# Altium PCB ASCII_LimeSDR-USB_1v4.PcbDoc (part 2 of 10) (continued)
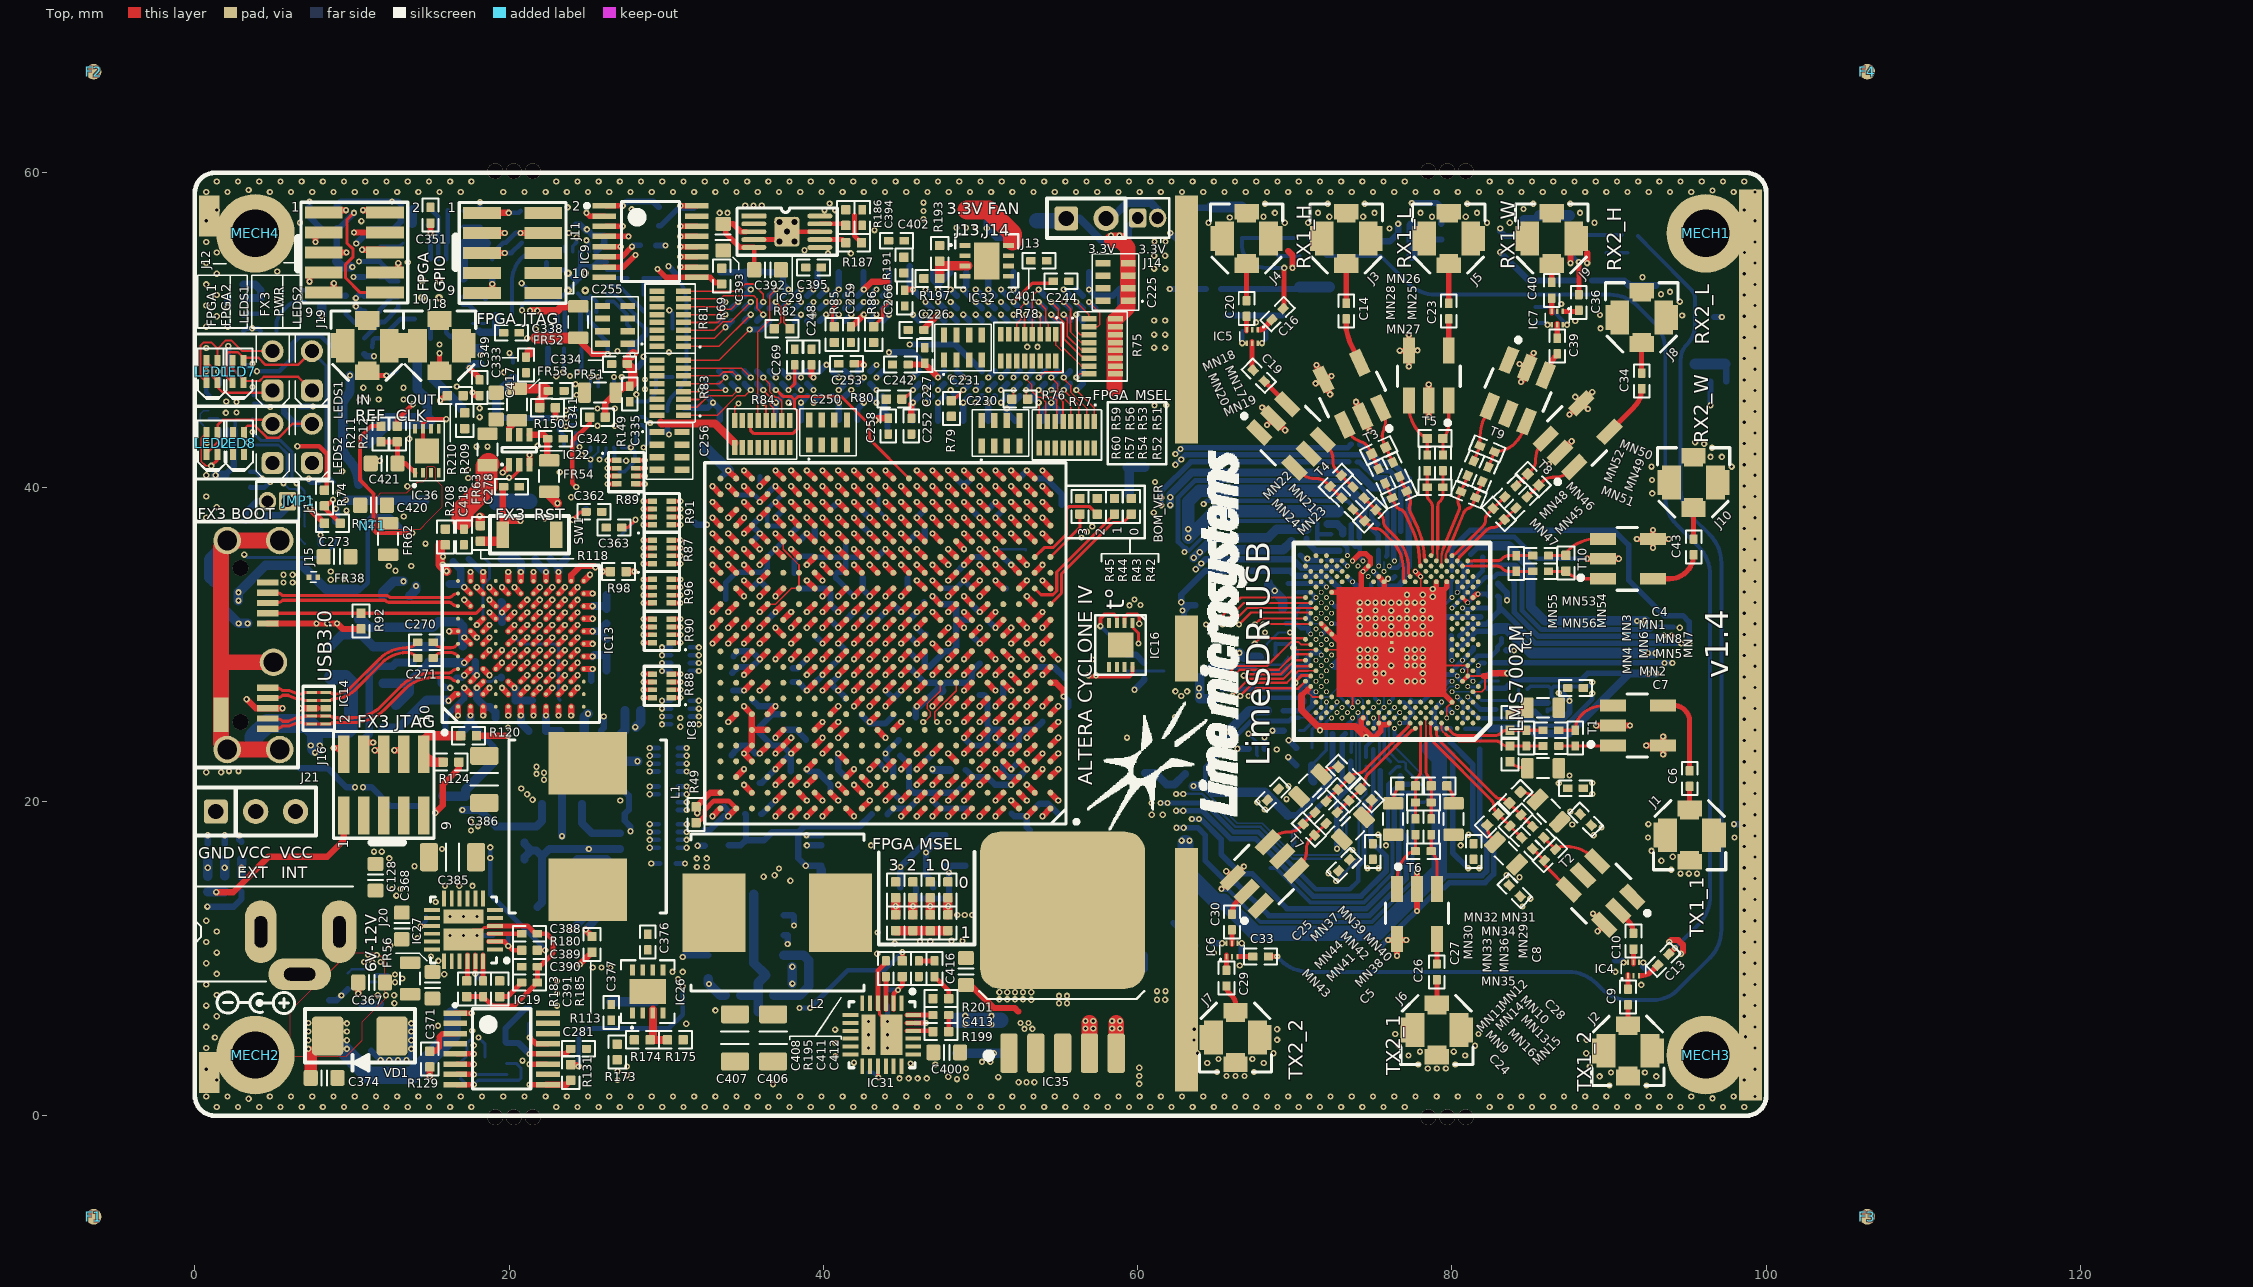
[diagram p0: Top view]
## Components (designator, comment, footprint, x,y, rotation, side; value= is the part's Value field where it differs from the comment) (continued)
FR57 "600R, 2A" RES0805#1 49.9,5.075 r90 bottom
FR58 "600R, 2A" RES0805#1 54.465,9.489 r90 bottom
FR59 "600R, 2A" RES0805#1 56.85,25.3 r270 bottom
FR60 "600R, 2A" RES0805#1 59.25,34.725 r90 bottom
FR61 "600R, 2A" RES0805#1 52.912,5.425 r90 bottom
FR62 "600R, 2A" RES0805#2 12.3,36.7 r90 top
FR63 "600R, 2A" RES0805#2 18.625,42.4 r270 top
IC1 "LMS7002M" LMS7002M_v3 76.341,30.138 r180 top locked
IC2 "M24128" 24FC512 44.825,16.875 r0 bottom
IC3 "24FC512" 24FC512 36.925,16.875 r0 bottom
IC4 "SKY13323" SKY13323-378LF 91.55,9.325 r90 top
IC5 "SKY13323" SKY13323-378LF 67.284,49.584 r270 top
IC6 "SKY13323" SKY13323-378LF 66,10.55 r90 top
IC7 "SKY13323" SKY13323-378LF 86.7,50.75 r270 top
IC8 "EP4CE40F23C8N" FBGA484_A-240 43.95,30.05 r180 top locked
IC9 "TS3A5018PWR" TS3A5018PWR 29,55.625 r0 top
IC10 "M25P16" M25P40-VMN6TPB_SO8N 35.075,10.85 r0 bottom
IC11 "AS4C64M16D2-25BCN" AS4C64M16D2 51.7,48.975 r270 bottom locked
IC12 "AS4C64M16D2-25BCN" AS4C64M16D2 38.175,48.975 r90 bottom locked
IC13 "CYUSB3014-BZXC" CYP-BZX121 20.75,30.025 r90 top locked
IC14 "SP3010-04UTG" SP3010-04UTG 7.887,25.925 r270 top
IC15 "M25P40" M25P40-VMN6TPB_SO8N 24,17.45 r270 bottom
IC16 "LM75" HWSON8_LM75 58.925,29.95 r270 top
IC17 "MAX7322" MAX7322ATE_QFN16 2.325,45.1 r0 bottom
IC18 "M24128" 24FC512 22.8,3.65 r180 bottom
IC19 "SC18IS602B" SC18IS602B_TSSOP16 19.525,4.25 r0 top
IC20 "LMK00105" LMK00105SQ 24.3,53.063 r90 bottom
IC21 "NC7SV74K8XCT" NC7SV74K8XCT 5.55,51.775 r180 bottom
IC22 "AD5601BKSZ-REEL7" AD5601_SOT23-6 20.65,42.375 r90 top
IC23 "ADF4002" ADF4002 15,52.6 r180 bottom
IC24 "Si5351C" Si5351C_20QFN 26.175,44.45 r270 bottom locked
IC25 "FPF3042" FPF3042 11.738,8.713 r90 bottom
IC26 "AP7361-FGE" AP7361 28.825,7.9 r90 top
IC27 "ADP2386" ADP2386 17.1,11.825 r180 top
IC28 "AP7361-FGE" AP7361 57.35,10.5 r180 bottom
IC29 "RT9026" MSOP10 35.575,57.25 r0 top
IC30 "AP7361-FGE" AP7361 59.325,22.125 r180 bottom
IC31 "ADP2386" ADP2386 43.725,5.15 r270 top
IC32 "AP7361-FGE" AP7361 50.4,54.4 r0 top
IC33 "AP7361-FGE" AP7361 59.15,38.275 r270 bottom
IC34 "AP7361-FGE" AP7361 25.26,7.561 r180 bottom
IC35 "LP38503TS" TO-263-5_v2 55.225,10.025 r90 top locked
IC36 "SPX3819R2" SPX3819R2-L/TR 14.775,42.3 r90 top
J1 "U.FL/MMCX" MMCX_UFL_conn_u 95.125,17.85 r0 top
J2 "U.FL/MMCX" MMCX_UFL_conn_u 91.2,4.125 r0 top
J3 "U.FL/MMCX" MMCX_UFL_conn_u 73.275,55.825 r180 top
J4 "U.FL/MMCX" MMCX_UFL_conn_u 66.934,55.825 r180 top
J5 "U.FL/MMCX" MMCX_UFL_conn_u 79.8,55.825 r180 top
J6 "U.FL/MMCX" MMCX_UFL_conn_u 79.04,5.45 r0 top
J7 "U.FL/MMCX" MMCX_UFL_conn_u 66.225,4.975 r0 top
J8 "U.FL/MMCX" MMCX_UFL_conn_u 92.075,50.8 r180 top
J9 "U.FL/MMCX" MMCX_UFL_conn_u 86.35,55.825 r180 top
J10 "U.FL/MMCX" MMCX_UFL_conn_u 95.375,40.3 r180 top
J11 "FPGA JTAG" SWD_10_PIN 20.225,54.9 r270 top
J12 "FPGA GPIO" SWD_10_PIN 10.15,54.925 r270 top
J13 "FAN" HDR_1x2 56.725,57.1 r90 top
J14 "FAN" HDR_1X2_HALF_PITCH 60,57.125 r90 top locked
J15 "Micro_USB3B" MICROUSB3B_SM_V2 4.637,32.625 r270 top locked
J16 "FX3 JTAG" SWD_10_PIN 12.025,21.05 r0 top locked
J17 "Jumper" HDR_1X2_HALF_PITCH 5.9,39.1 r270 top
J18 "U.FL/MMCX" MMCX_UFL_conn_u 15.575,49 r180 top
J19 "U.FL/MMCX" MMCX_UFL_conn_u 10.975,49 r180 top
J20 "CONN_PWR_JACK_2.1x5.5mm" CONN_PWR_JACK_V4 9.2,11.7 r90 top
J21 "Header 3x1 pin" HDR_1x3 3.875,19.35 r90 top
JMP1 "1 pcs." MECH_JUMPER_HALF_PITCH 6.6,39.125 r180 top
L1 "1.5uH" FDVE1040_TOKO_INDUCTOR 25,18.4 r90 top
L2 "1uH" FDVE1040_TOKO_INDUCTOR 37.075,12.925 r180 top
LED1 "LED_RG_SMD" LED-2X0603 1.125,47.275 r270 top
LED2 "LED_RG_SMD" LED-2X0603 1.125,42.7 r270 top
LED7 "LED_RG_SMD" LED-2X0603 2.775,47.275 r270 top
LED8 "LED_RG_SMD" LED-2X0603 2.8,42.7 r270 top
LEDS1 "2xLED standoff" LED_STANDOFF_H-201C 6.2,47.4 r90 top locked
LEDS2 "2xLED standoff" LED_STANDOFF_H-201C 6.2,42.775 r90 top locked
MECH1 "# pcs." PCB_STANDOFF 96.15,56.15 r0 top
MECH2 "# pcs." PCB_STANDOFF 3.85,3.85 r0 top locked
MECH3 "# pcs." PCB_STANDOFF 96.15,3.85 r0 top
MECH4 "# pcs." PCB_STANDOFF 3.85,56.15 r0 top
MN1 "100uH" RES0805#2 85.805,25.958 r0 top
MN2 "100uH" RES0805#2 85.805,22.113 r0 top
MN3 "47nH" RES0402#1 83.695,25.023 r90 top
MN4 "47nH" RES0402#1 83.695,23.023 r270 top
MN5 "100nF, 16V" CAP0402#2 86.295,23.523 r180 top
MN6 "0.5pF" CAP0402#2 84.735,24.022 r270 top
MN7 "2pF" CAP0402#2 87.845,24.023 r270 top
MN8 "100nF, 16V" CAP0402#2 86.295,24.523 r0 top
MN9 "0uH (0R)" RES0805#2 83.437,16.687 r315 top
MN10 "0uH (0R)" RES0805#2 86.155,19.406 r315 top
MN11 "8.2nH, 5%" RES0402#1 82.596,18.83 r225 top
MN12 "8.2nH, 5%" RES0402#1 84.01,20.244 r45 top
MN13 "0.8pF" CAP0402#2 85.495,18.041 r135 top
MN14 "1pF" CAP0402#2 84.046,18.784 r225 top
MN15 "0.5pF" CAP0402#2 86.238,16.592 r45 top
MN16 "0.8pF" CAP0402#2 84.788,17.334 r135 top
MN17 "510pF" CAP0402#2 76.45,41.121 r295 top
MN18 "8.2nH, 5%" RES0402#1 75.342,42.314 r25 top
MN19 "1.2pF" CAP0402#2 76.652,39.516 r25 top
MN20 "510pF" CAP0402#2 75.544,40.698 r295 top
MN21 "2pF" CAP0402#2 74.057,39.651 r315 top
MN22 "0.5pF" CAP0402#2 72.607,40.393 r45 top
MN23 "1pF" CAP0402#2 74.799,38.201 r45 top
MN24 "2pF" CAP0402#2 73.349,38.944 r315 top
MN25 "100pF, 50V" CAP0402#2 79.426,41.542 r270 top
MN26 "10nH, 5%" RES0402#1 78.926,43.092 r0 top
MN27 "0.8pF" CAP0402#2 78.926,39.992 r180 top
MN28 "100pF, 50V" CAP0402#2 78.426,41.542 r270 top
MN29 "100uH" RES0805#2 80.105,18.874 r270 top
MN30 "100uH" RES0805#2 76.26,18.874 r270 top
MN31 "47nH" RES0402#1 79.18,20.984 r0 top
MN32 "47nH" RES0402#1 77.181,20.984 r180 top
MN33 "100nF, 16V" CAP0402#2 77.68,18.384 r90 top
MN34 "0.5pF" CAP0402#2 78.18,19.934 r180 top
MN35 "2pF" CAP0402#2 78.18,16.834 r180 top
MN36 "100nF, 16V" CAP0402#2 78.68,18.384 r270 top
MN37 "0uH (0R)" RES0805#2 70.982,21.004 r225 top
MN38 "0uH (0R)" RES0805#2 73.701,18.286 r225 top
MN39 "8.2nH, 5%" RES0402#1 73.125,21.845 r135 top
MN40 "8.2nH, 5%" RES0402#1 74.539,20.431 r315 top
MN41 "0.8pF" CAP0402#2 72.347,18.946 r45 top
MN42 "1pF" CAP0402#2 73.089,20.396 r135 top
MN43 "0.5pF" CAP0402#2 70.897,18.204 r315 top
MN44 "0.8pF" CAP0402#2 71.64,19.653 r45 top
MN45 "510pF" CAP0402#2 84.432,39.023 r225 top
MN46 "8.2nH, 5%" RES0402#1 85.174,40.472 r315 top
MN47 "1.2pF" CAP0402#2 82.982,38.291 r315 top
MN48 "510pF" CAP0402#2 83.724,39.73 r225 top
MN49 "2pF" CAP0402#2 82.125,40.811 r247.5 top
MN50 "0.5pF" CAP0402#2 82.256,42.434 r337.5 top
MN51 "1pF" CAP0402#2 81.051,39.524 r337.5 top
MN52 "2pF" CAP0402#2 81.201,41.194 r247.5 top
MN53 "100pF, 50V" CAP0402#2 85.644,35.638 r180 top
MN54 "10nH, 5%" RES0402#1 87.254,35.154 r90 top
MN55 "0.8pF" CAP0402#2 84.094,35.138 r270 top
MN56 "100pF, 50V" CAP0402#2 85.644,34.649 r180 top
NT1 "NetTie" NetTie_Wide2 11.3,37.525 r90 top net-tie
R1 "10k, 1%" RES0402#2 43.575,19.175 r180 bottom
R2 "10k, 1%" RES0402#2 44.8,23.4 r90 bottom
R3 "10k, 1%" RES0402#2 44.45,21.05 r270 bottom
R4 "10k, 1%" RES0402#2 48.55,22 r0 bottom
R5 "10k, 1%" RES0402#2 35.525,19.2 r180 bottom
R6 "49.9R, 1%" RES0402#2 70.6,22.3 r180 bottom
R7 "49.9R, 1%" RES0402#2 69.8,24.5 r180 bottom
R8 "49.9R, 1%" RES0402#2 70.6,23.4 r180 bottom
R9 "49.9R, 1%" RES0402#2 67.575,23.35 r180 bottom
R10 "10k, 1%" RES0402#2 49.95,19.55 r180 bottom
R11 "10k, 1%" RES0402#2 76.275,28.575 r135 bottom
R12 "2k2, 1%" RES0402#2 47.5,14.525 r180 bottom
R13 "2k2, 1%" RES0402#2 45.4,14.525 r180 bottom
R14 "100R, 1%" RES0402#2 64.825,52.6 r180 bottom
R15 "1k, 1%" RES0402#2 74.445,55.212 r90 bottom
R16 "100R, 1%" RES0402#2 79.325,56.25 r90 bottom
R17 "100R, 1%" RES0402#2 63.275,57.275 r90 bottom
R18 "100R, 1%" RES0402#2 88.425,53.15 r180 bottom
R19 "1k, 1%" RES0402#2 95.975,50.825 r0 bottom
R20 "100R, 1%" RES0402#2 84.425,56.475 r90 bottom
R21 "100R, 1%" RES0402#2 96.962,46.72 r180 bottom
R22 "0R" RES0402#2 68.25,28.075 r180 bottom
R23 "0R" RES0402#2 69.225,31.8 r270 bottom
R24 "0R" RES0402#2 64.975,27.025 r270 bottom
R25 "0R" RES0402#2 68.251,29.169 r0 bottom
R26 "0R" RES0402#2 66.725,34.675 r180 bottom
R27 "0R" RES0402#2 68.75,25.775 r0 bottom
R28 "0R" RES0402#2 64.175,32.475 r180 bottom
R29 "0R" RES0402#2 68.851,33.869 r0 bottom
R30 "0R" RES0402#2 72.951,29.519 r90 bottom
R31 "0R" RES0201 73.556,22.874 r270 bottom
R32 "0R" RES0201 79.405,25.825 r0 bottom
R33 "10R" RES0201 85.271,25.985 r270 bottom
R34 "0R" RES0201 79.095,27.019 r180 bottom
R35 "0R" RES0201 74.651,27.749 r270 bottom
R36 "0R" RES0201 82.001,27.194 r0 bottom
R37 "0R" RES0201 80.847,27.819 r225 bottom
R38 "0R" RES0201 75.57,37.625 r0 bottom
R39 "10R" RES0201 82.055,24.629 r0 bottom
R40 "10R" RES0201 72.701,37.924 r270 bottom
R41 "10R" RES0201 70.751,36.994 r270 bottom
R42 "0R" RES0402#1 59.6,38.775 r90 top
R43 "0R" RES0402#1 58.525,38.775 r90 top
R44 "0R" RES0402#1 57.425,38.775 r90 top
R45 "0R" RES0402#1 56.325,38.775 r90 top
R46 "49.9R, 1%" RES0402#2 34.45,40.05 r90 bottom
R47 "49.9R, 1%" RES0402#2 35.975,41.175 r270 bottom
R48 "10k, 1%" RES0402#2 9.725,8.55 r270 bottom
R49 "10k, 1%" RES0402#1 31.9,19.15 r270 top
R50 "10k, 1%" RES0402#2 8.05,7.35 r0 bottom
R51 "0R" RES0402#1 47.925,14.375 r90 top
R52 "0R" RES0402#1 47.925,12.275 r90 top
R53 "0R" RES0402#1 46.8,14.375 r90 top
R54 "0R" RES0402#1 46.8,12.275 r90 top
R55 "10k, 1%" RES0402#2 20.3,55.55 r180 bottom
R56 "0R" RES0402#1 45.7,14.375 r90 top
R57 "0R" RES0402#1 45.7,12.275 r90 top
R58 "10k, 1%" RES0402#2 18.925,54 r90 bottom
R59 "0R" RES0402#1 44.6,14.375 r90 top
R60 "0R" RES0402#1 44.6,12.275 r90 top
R61 "0R" RES0402#2 8.525,56.475 r0 bottom
R62 "1k, 1%" RES0402#2 21.25,57.45 r0 bottom
R63 "0R" RES0402#2 9.025,54.875 r90 bottom
R64 "0R" RES0402#2 8.975,37.325 r90 bottom
R65 "0R" RES0402#2 60.425,28.3 r270 bottom
R66 "10k, 1%" RES0402#2 29.525,57.2 r90 bottom
R67 "10k, 1%" RES0402#2 49.9,57.55 r180 bottom
R68 "22R" RES0402#2 28.85,55.375 r0 bottom
R69 "100K" RES0402#1 33.525,53.425 r90 top
R70 "4K7" RES0402#2 34.25,7.65 r180 bottom
R71 "4K7" RES0402#2 36.35,7.65 r0 bottom
R72 "0R" RES0402#1 8.75,37.7 r0 top
R73 "4K7" RES0402#2 35.075,14.1 r180 bottom
R74 "0R" RES0402#1 8.25,39.3 r270 top
R75 "8x56R" EXB2HV 57.75,48.95 r0 top
R76 "100R, 1%" RES0402#1 52.5,45.6 r0 top
R77 "8x56R" EXB2HV 55.5,43.325 r270 top
R78 "8x56R" EXB2HV 53.05,48.875 r270 top
R79 "100R, 1%" RES0402#1 48.15,45 r90 top
R80 "100R, 1%" RES0402#1 44.5,45.6 r0 top
R81 "8x56R" EXB2HV 30.25,50.725 r180 top
R82 "100R, 1%" RES0402#1 37.375,50.075 r180 top
R83 "8x56R" EXB2HV 30.25,46.325 r180 top
R84 "8x56R" EXB2HV 36.1,43.375 r270 top
R85 "100R, 1%" RES0402#1 40.7,49.7 r90 top
R86 "100R, 1%" RES0402#1 43.2,49.7 r90 top
R87 "22R" ChipResistorArray 29.725,35.875 r0 top
R88 "22R" ChipResistorArray 29.725,27.35 r180 top
R89 "22R" ChipResistorArray 27.45,40.95 r0 top
R90 "22R" ChipResistorArray 29.725,30.85 r180 top
R91 "22R" ChipResistorArray 29.725,38.35 r0 top
R92 "0R" RES0402#1 10.575,31.475 r90 top
R93 "6.04K, 1%" RES0402#2 18.475,35.925 r270 bottom
R94 "22R" ChipResistorArray 30.9,25.65 r180 bottom
R95 "200R, 1%" RES0402#2 18.35,28.875 r180 bottom
R96 "22R" ChipResistorArray 29.725,33.375 r0 top
R97 "22R" ChipResistorArray 30.9,29.05 r180 bottom
R98 "22R" RES0402#1 26.95,34.625 r180 top
R99 "22R" RES0402#2 30.125,16.05 r0 bottom
R100 "22R" ChipResistorArray 30.125,17.8 r0 bottom
R101 "22R" ChipResistorArray 30.125,22.65 r0 bottom
R102 "22R" ChipResistorArray 30.125,20.2 r0 bottom
R103 "10k, 1%" RES0402#2 2.975,14.75 r90 bottom
R104 "10k, 1%" RES0402#2 0.825,14.75 r90 bottom
R105 "10k, 1%" RES0402#2 1.9,14.75 r90 bottom
R106 "0R" RES0402#2 1.9,16.8 r270 bottom
R107 "0R" RES0402#2 0.825,16.8 r270 bottom
R108 "0R" RES0402#2 2.975,16.8 r270 bottom
R109 "2.21k, 1%" RES0402#2 55.575,25.525 r90 bottom
R110 "0R" RES0402#2 18.475,3.25 r90 bottom
R111 "0R" RES0402#2 27.025,21.225 r270 bottom
R112 "0R" RES0402#2 16.9,2.875 r90 bottom
R113 "0R" RES0402#1 25.275,10.9 r270 top
R114 "100K" RES0402#2 24.4,13.275 r0 bottom
R115 "10k, 1%" RES0402#2 24.775,24 r90 bottom
R116 "10k, 1%" RES0402#2 25.85,24 r90 bottom
R117 "10k, 1%" RES0402#2 25.225,27.175 r90 bottom
R118 "100K" RES0402#1 18.175,37.05 r90 top
R119 "10k, 1%" RES0402#2 27.875,25.775 r0 bottom
R120 "0R" RES0402#1 17.425,24.175 r0 top
R121 "4K7" RES0402#2 20.975,17.9 r90 bottom
R122 "0R" RES0402#2 3.75,37.85 r180 bottom
R123 "4K7" RES0402#2 22.3,13.275 r0 bottom
R124 "0R" RES0402#1 16.3,22.5 r180 top
R125 "10k, 1%" RES0402#2 15.95,23.85 r90 bottom
R126 "4K7" RES0402#2 27.075,17.475 r90 bottom
R127 "10k, 1%" RES0402#2 16.146,27.875 r0 bottom
R128 "10k, 1%" RES0402#2 23.75,26.425 r180 bottom
R129 "10k, 1%" RES0402#1 14.95,3.6 r90 top
R130 "10k, 1%" RES0402#2 21.3,6.325 r90 bottom
R131 "1k, 1%" RES0402#1 23.925,2.75 r90 top
R132 "10k, 1%" RES0402#2 1.95,42.5 r180 bottom
R133 "10k, 1%" RES0402#2 58.825,29.325 r180 bottom
R134 "1k, 1%" RES0402#2 7.5,36.4 r180 bottom
R135 "1k, 1%" RES0402#2 7.5,37.5 r180 bottom
R136 "0R" RES0402#2 28.175,50.175 r0 bottom
R137 "0R" RES0402#2 10.425,39.675 r270 bottom
R138 "0R" RES0402#2 14.65,46.9 r180 bottom
R139 "0R" RES0402#2 24.6,49.313 r90 bottom
R140 "49.9R, 1%" RES0402#2 28.55,51.763 r90 bottom
R141 "0R" RES0402#2 2.6,51.975 r0 bottom
R142 "0R" RES0402#2 23.5,49.313 r90 bottom
R143 "0R" RES0402#2 8.075,52.025 r270 bottom
R144 "0R" RES0402#2 3.1,50.425 r90 bottom
R145 "0R" RES0402#2 4.7,49.925 r0 bottom
R146 "0R" RES0402#2 9.325,47.6 r270 bottom
R147 "0R" RES0402#2 10.925,47.1 r0 bottom
R148 "0R" RES0402#2 30.075,44.35 r270 bottom
R149 "0R" RES0402#1 25.625,44.45 r180 top
R150 "0R" RES0402#1 22.45,45.05 r180 top
R151 "0R" RES0402#2 30.4,49.6 r270 bottom
R152 "49.9R, 1%" RES0402#2 19.675,49.85 r180 bottom
R153 "10R, 5%" RES0402#2 14.4,55.425 r180 bottom
R154 "1k, 1%" RES0402#2 10.775,48.975 r270 bottom
R155 "0R" RES0402#2 30.4,47.5 r270 bottom
R156 "470R, 0.5%" RES0402#2 16.6,57.55 r0 bottom
R157 "0R" RES0402#2 20.26,47.443 r270 bottom
R158 "0R" RES0402#2 29.35,47.5 r90 bottom
R159 "49.9R, 1%" RES0402#2 12.425,49.425 r0 bottom
R160 "10k, 1%" RES0402#2 11.775,54.85 r90 bottom
R161 "10k, 1%" RES0402#2 14.475,57.725 r180 bottom
R162 "330R, 5%" RES0402#2 18.65,56.6 r180 bottom
R163 "49.9R, 1%" RES0402#2 11.275,51.175 r0 bottom
R164 "49.9R, 1%" RES0402#2 11.275,52.275 r0 bottom
R165 "49.9R, 1%" RES0402#2 11.275,53.375 r0 bottom
R166 "0R" RES0402#2 16.4,6.875 r270 bottom
R167 "0R" RES0402#2 14.113,8.013 r180 bottom
R168 "100R, 1%" RES0402#2 3.525,40.475 r90 bottom
R169 "100R, 1%" RES0402#2 2.625,47.7 r0 bottom
R170 "100R, 1%" RES0402#2 8.375,40.325 r0 bottom
R171 "249R, 1%" RES0402#2 6.2,45 r180 bottom
R172 "0R" RES0805#1 11.35,11.9 r90 bottom
R173 "0R" RES0402#1 26.875,4.05 r90 top
R174 "1k, 1%" RES0402#1 28.475,4.825 r180 top
R175 "470R, 0.5%" RES0402#1 30.575,4.825 r0 top
R176 "0R" RES0402#2 51.35,3.475 r270 bottom
R177 "0R" RES0402#2 48.5,3.475 r270 bottom
R178 "0R" RES0402#2 61.665,9.864 r90 bottom
R179 "1k, 1%" RES0402#2 60.365,10.964 r90 bottom
R180 "10k, 1%" RES0402#1 21.3,10.525 r180 top
R181 "44.2k, 1%" RES0402#2 18.925,8.575 r0 bottom
R182 "806R, 1%" RES0402#2 60.365,8.864 r270 bottom
R183 "100k, 5%" RES0402#1 17.3,8.075 r270 top
R184 "2.21k, 1%" RES0402#2 19.475,11.475 r0 bottom
R185 "44.2k, 1%" RES0402#1 19.4,8.075 r90 top
R186 "10k, 1%" RES0402#1 41.425,57.15 r270 top
R187 "10k, 1%" RES0402#1 41.925,55.55 r180 top
R188 "0R" RES0402#2 60.4,25.95 r270 bottom
R189 "750R, 1%" RES0402#2 61.925,21.575 r270 bottom
R190 "1k, 1%" RES0402#2 63.025,22.25 r270 bottom
R191 "0R" RES0402#1 45.125,54.125 r90 top
R192 "0R" RES0402#2 56.775,38.825 r90 bottom
R193 "1k, 1%" RES0402#1 47.4,54.875 r90 top
R194 "560R, 1%" RES0402#2 58.85,41.25 r180 bottom
R195 "10k, 1%" RES0402#1 45.025,9.35 r270 top
R196 "44.2k, 1%" RES0402#2 45.85,6.4 r90 bottom
R197 "806R, 1%" RES0402#1 46.9,53.275 r180 top
R198 "1k, 1%" RES0402#2 60.45,41.75 r270 bottom
R199 "124k, 1%" RES0402#1 47.475,5.35 r0 top
R200 "10k, 1%" RES0402#2 44.075,7.525 r270 bottom
R201 "66.5k, 1%" RES0402#1 47.475,7.45 r180 top
R202 "0R" RES0402#2 29.761,8.336 r180 bottom
R203 "1k, 1%" RES0402#2 28.161,7.736 r90 bottom
R204 "0R" RES0402#2 55.6,4.325 r90 bottom
R205 "10k, 1%" RES0402#2 57.2,4.825 r0 bottom
R206 "806R, 1%" RES0402#2 29.761,7.236 r0 bottom
R207 "10k, 1%" RES0402#2 58.775,4.325 r270 bottom
R208 "0R" RES0402#1 15.95,36.825 r90 top
R209 "39k, 1%" RES0402#1 17.175,44.225 r90 top
R210 "23.2k, 1%" RES0402#1 16.575,45.825 r0 top
R211 "10k, 1%" RES0402#1 11.85,43.375 r270 top
R212 "0R" RES0402#1 12.875,43.375 r90 top
RA1 "560R, 1%" RES0402#2 68.825,55.35 r270 bottom
RA2 "2.49k, 1%" RES0402#2 70.425,55.85 r180 bottom
RA3 "49.9R, 1%" RES0402#2 73.345,55.212 r270 bottom
RA4 "49.9R, 1%" RES0402#2 67.725,56.35 r270 bottom
RA5 "560R, 1%" RES0402#2 89.7,55.55 r270 bottom
RA6 "2.49k, 1%" RES0402#2 91.3,56.05 r180 bottom
RA7 "49.9R, 1%" RES0402#2 95.975,51.925 r180 bottom
RA8 "49.9R, 1%" RES0402#2 88.6,56.55 r270 bottom
SW1 "Switch, tactile" SW_TACTILE 21.3,36.975 r0 top
T1 "TC1-1-13MA+" TC1-1-13MA+_v2 91.845,24.823 r90 top
T2 "TCM1-63AX+" TCM1-63AX+_v2 89.466,14.163 r225 top
T3 "TC1-1-13MA+" TC1-1-13MA+_v2 73.652,45.94 r205 top
T4 "TCM1-63AX+" TCM1-63AX+_v2 69.754,43.247 r45 top
T5 "TC1-1-13MA+" TC1-1-13MA+_v2 78.526,47.092 r180 top
T6 "TC1-1-13MA+" TC1-1-13MA+_v2 77.78,12.834 r0 top
T7 "TCM1-63AX+" TCM1-63AX+_v2 68.069,15.375 r135 top
T8 "TC1-1-13MA+" TC1-1-13MA+_v2 88.002,43.301 r135 top
T9 "TCM1-63AX+" TCM1-63AX+_v2 84.187,46.13 r337.5 top
T10 "TC1-1-13MA+" TC1-1-13MA+_v2 91.194,35.438 r90 top
VD1 "SK36A" DIODE_SMB 10.5,5.075 r0 top
VT1 "RF MOSFET" BF1105R_SOT143R4 71.25,53.725 r0 bottom
VT2 "RF MOSFET" BF1105R_SOT143R4 65.663,56.837 r180 bottom
VT3 "RF MOSFET" BF1105R_SOT143R4 76.457,55.675 r90 bottom
VT4 "RF MOSFET" BF1105R_SOT143R4 92.125,53.925 r0 bottom
VT5 "RF MOSFET" BF1105R_SOT143R4 86.538,56.287 r180 bottom
VT6 "RF MOSFET" BF1105R_SOT143R4 96.413,48.813 r0 bottom
VT7 "NDS331N" SOT23-3 52.75,56.825 r0 bottom
XO1 "30.72 MHz" RAKON_RPT7050A 17,41.775 r90 bottom
XO2 "TCXO 30.72MHz" RAKON_TXCO 17,41.775 r90 bottom
XT1 "19.2MHz" CRYSTAL_4-LCC_v2 10.45,20.9 r180 bottom locked
XT2 "25MHz" CRYSTAL_4-LCC 26.075,37.85 r0 bottom

## Footprints (in the part's own frame and the unit in brackets; to place one, negate y for a bottom-side part, rotate by r counter-clockwise, add the part's x,y. Pads: shape width x height; smd on the part's side, far side on the other; paste and mask are expansions set on the pad)
24FC512 [mm] "TSOP, 8-Leads, Body 3,00x4,40mm, Pitch 0,65mm, IPC Medium Density"
  rect 1.4x0.45 smd mask+0: 1(-2.95,0.975) 2(-2.95,0.325) 3(-2.95,-0.325) 4(-2.95,-0.975) 5(2.95,-0.975) 6(2.95,-0.325) 7(2.95,0.325) 8(2.95,0.975)
  silkscreen extent -3.07,-1.55 1.85,1.87
AD5601_SOT23-6 [mm] "SOT23, 6-Leads, Body 2x1.3mm, Pitch 0.65mm, Lead Span 2.1mm, IPC Medium Density"
  rect 0.85x0.4 smd: 1(-0.95,0.65) 2(-0.95,0) 3(-0.95,-0.65) 4(0.95,-0.65) 5(0.95,0) 6(0.95,0.65)
  silkscreen extent -0.95,-1.1 0.15,1.1
ADF4002 [mm]
  rect 0.7x0.3 smd mask+0: 1(-2.05,1) 2(-2.05,0.5) 3(-2.05,0) 4(-2.05,-0.5) 5(-2.05,-1) 11(2.05,-1) 12(2.05,-0.5) 13(2.05,0) 14(2.05,0.5) 15(2.05,1)
  rect 0.3x0.7 smd mask+0: 6(-1,-1.9) 7(-0.5,-1.9) 8(0,-1.9) 9(0.5,-1.9) 10(1,-1.9) 16(1,1.9) 17(0.5,1.9) 18(0,1.9) 19(-0.5,1.9) 20(-1,1.9)
  rect 2.1x2.1 smd: 21(0,0)
  silkscreen extent -2.98,-2.03 2.2,2.02
ADP2386 [mm] "QFN, 24-Leads, Body 4,00x4,00mm, Pitch 0,50mm, 2x thermal pads, IPC Medium Density"
  rect 1x0.25 smd mask+0: 1(-2,1.25) 2(-2,0.75) 3(-2,0.25) 4(-2,-0.25) 5(-2,-0.75) 6(-2,-1.25) 13(2,-1.25) 14(2,-0.75) 15(2,-0.25) 16(2,0.25) 17(2,0.75) 18(2,1.25)
  rect 0.25x1 smd mask+0: 7(-1.25,-2) 8(-0.75,-2) 9(-0.25,-2) 10(0.25,-2) 11(0.75,-2) 12(1.25,-2) 19(1.25,2) 20(0.75,2) 21(0.25,2) 22(-0.25,2) 23(-0.75,2) 24(-1.25,2)
  rect 2.55x1.4 smd mask+0: 25(0,0.6)
  rect 2.55x0.9 smd mask+0: 26(0,-0.85)
  silkscreen extent -2.88,-2.1 2.1,2.1
AP7361 [mm] "Low noise LDO"
  rect 0.7x0.3 smd mask+0: 1(-1.375,0.975) 2(-1.375,0.325) 3(-1.375,-0.325) 4(-1.375,-0.975) 5(1.375,-0.975) 6(1.375,-0.325) 7(1.375,0.325) 8(1.375,0.975)
  rect 1.6x2.35 smd mask+0: 9(0,0)
  silkscreen extent -2.34,-1.7 2,1.7
AS4C64M16D2 [mm]
  round 0.45 smd: A1(-3.2,5.6) A2(-2.4,5.6) A3(-1.6,5.6) A7(1.6,5.6) A8(2.4,5.6) A9(3.2,5.6) B1(-3.2,4.8) B2(-2.4,4.8) B3(-1.6,4.8) B7(1.6,4.8) B8(2.4,4.8) B9(3.2,4.8) C1(-3.2,4) C2(-2.4,4) C3(-1.6,4) C7(1.6,4) C8(2.4,4) C9(3.2,4) D1(-3.2,3.2) D2(-2.4,3.2) D3(-1.6,3.2) D7(1.6,3.2) D8(2.4,3.2) D9(3.2,3.2) E1(-3.2,2.4) E2(-2.4,2.4) E3(-1.6,2.4) E7(1.6,2.4) E8(2.4,2.4) E9(3.2,2.4) F1(-3.2,1.6) F2(-2.4,1.6) F3(-1.6,1.6) F7(1.6,1.6) F8(2.4,1.6) F9(3.2,1.6) G1(-3.2,0.8) G2(-2.4,0.8) G3(-1.6,0.8) G7(1.6,0.8) G8(2.4,0.8) G9(3.2,0.8) H1(-3.2,0) H2(-2.4,0) H3(-1.6,0) H7(1.6,0) H8(2.4,0) H9(3.2,0) J1(-3.2,-0.8) J2(-2.4,-0.8) J3(-1.6,-0.8) J7(1.6,-0.8) J8(2.4,-0.8) J9(3.2,-0.8) K2(-2.4,-1.6) K3(-1.6,-1.6) K7(1.6,-1.6) K8(2.4,-1.6) K9(3.2,-1.6) L1(-3.2,-2.4) L2(-2.4,-2.4) L3(-1.6,-2.4) L7(1.6,-2.4) L8(2.4,-2.4) M2(-2.4,-3.2) M3(-1.6,-3.2) M7(1.6,-3.2) M8(2.4,-3.2) M9(3.2,-3.2) N1(-3.2,-4) N2(-2.4,-4) N3(-1.6,-4) N7(1.6,-4) N8(2.4,-4) P2(-2.4,-4.8) P3(-1.6,-4.8) P7(1.6,-4.8) P8(2.4,-4.8) P9(3.2,-4.8) R1(-3.2,-5.6) R2(-2.4,-5.6) R3(-1.6,-5.6) R7(1.6,-5.6) R8(2.4,-5.6)
  silkscreen extent -4.42,-6.4 4.1,6.72
BF1105R_SOT143R4 [mm] "RF MOSFET Transistors Trans MOSFET N-CH 7V 0.03A 4pin(3+Tab). SOT-143R-4 package"
  rect 1x0.7 smd: 1(0.763,-0.987)
  rect 0.7x0.7 smd: 2(-0.962,-0.987) 3(-0.937,0.988) 4(0.963,0.988)
  silkscreen extent -1.5,-1.72 1.53,0.63
CAP0201 [mm]
  rect 0.3x0.35 smd: 1(-0.28,0) 2(0.28,0)
  silkscreen extent -0.2,-0.33 0.2,0.33
CAP0402#1 [mm] "Chip Capacitor, Body 1.0x0.5mm, 0402, IPC Medium Density"
  round 0.2 on Mech14: 0(0,0)
  rrect20% 0.6x0.5 smd: 1(-0.5,0) 2(0.5,0)
  silkscreen extent -1.05,-0.5 1.05,0.5
CAP0402#2 [mm] "Chip Capacitor, Body 1.0x0.5mm, 0402, IPC Medium Density"
  round 0.2 on Mech15: 0(0,0)
  rrect20% 0.6x0.5 smd: 1(-0.5,0) 2(0.5,0)
  silkscreen extent -1.05,-0.5 1.05,0.5
CAP0603#1 [mm] "Chip Capacitor, Body 1.6x0.8mm, 0603, IPC Medium Density"
  round 0.254 on Mech14: 0(0,0)
  rrect25% 0.9x1 smd: 1(-0.85,0) 2(0.85,0)
  silkscreen extent -0.18,-0.48 0.18,0.48
CAP0603#2 [mm] "Chip Capacitor, Body 1.6x0.8mm, 0603, IPC Medium Density"
  round 0.254 on Mech15: 0(0,0)
  rrect25% 0.9x1 smd: 1(-0.85,0) 2(0.85,0)
  silkscreen extent -0.18,-0.48 0.18,0.48
CAP1206#1 [mm] "Chip Capacitor, Body 3.2x1.6mm, 1206, IPC Medium Density"
  round 0.508 on Mech14: 0(0,0)
  rrect25% 1.15x1.8 smd: 1(-1.5,0) 2(1.5,0)
  silkscreen extent -0.4,-0.88 0.4,0.88
CAP1206#2 [mm] "Chip Capacitor, Body 3.2x1.6mm, 1206, IPC Medium Density"
  round 0.508 on Mech15: 0(0,0)
  rrect25% 1.15x1.8 smd: 1(-1.5,0) 2(1.5,0)
  silkscreen extent -0.4,-0.88 0.4,0.88
ChipResistorArray [mm] "Chip Array, Flat, 8-Leads, Pitch 0,60mm,  Body 2,05x1,05mm,  IPC Medium Density"
  rect 0.6x0.35 smd mask+0: 1(-0.6,0.75) 2(0.6,0.75) 7(-0.6,-0.75) 8(0.6,-0.75)
  rect 0.6x0.3 smd mask+0: 3(-0.6,0.25) 4(0.6,0.25) 5(-0.6,-0.25) 6(0.6,-0.25)
  silkscreen extent -1.55,-1.25 1.12,1.25
CKCA43X7R1C104M100AA [mm]
  rect 0.95x0.4 smd: 1(-0.8,1.2) 2(-0.8,0.4) 3(-0.8,-0.4) 4(-0.8,-1.2) 5(0.8,-1.2) 6(0.8,-0.4) 7(0.8,0.4) 8(0.8,1.2)
  silkscreen extent -1.75,-1.8 1.5,1.8
CONN_PWR_JACK_V4 [mm]
  oval 4x2.2 hole 0.8 slot 2 at 0 deg: 1(0,0)
  oval 4x2 hole 0.8 slot 2 at 0 deg: 2(0,5)
  oval 2x4 hole 0.8 slot 2 at 90 deg: 3(-2.7,2.525)
  silkscreen extent -3.15,-0.87 2.88,9.25
CRYSTAL_4-LCC [mm] "SMD Crystal 4-lead leadless package"
  round 0.508 on Mech14: 0(0,0)
  rrect25% 1.4x1.2 smd: 1(-1.1,-0.85) 2(1.1,-0.85) 3(1.1,0.85) 4(-1.1,0.85)
  silkscreen extent -2.3,-1.6 2,1.6
CRYSTAL_4-LCC_v2 [mm] "SMD Crystal 4-lead leadless package"
  round 0.508 on Mech14: 0(0,0)
  rrect25% 1.8x1.2 smd: 1(-2,-1.2) 2(2,-1.2) 3(2,1.2) 4(-2,1.2)
  silkscreen extent -3.25,-2.6 3.22,2.1
CYP-BZX121 [mm] "BGA, 121-Balls, Body 10x10mm, Pitch 0.8mm"
  round 0.25 smd: A1(-4,4) A2(-3.2,4) A3(-2.4,4) A4(-1.6,4) A5(-0.8,4) A6(0,4) A7(0.8,4) A8(1.6,4) A9(2.4,4) A10(3.2,4) A11(4,4) B1(-4,3.2) B2(-3.2,3.2) B3(-2.4,3.2) B4(-1.6,3.2) B5(-0.8,3.2) B6(0,3.2) B7(0.8,3.2) B8(1.6,3.2) B9(2.4,3.2) B10(3.2,3.2) B11(4,3.2) C1(-4,2.4) C2(-3.2,2.4) C3(-2.4,2.4) C4(-1.6,2.4) C5(-0.8,2.4) C6(0,2.4) C7(0.8,2.4) C8(1.6,2.4) C9(2.4,2.4) C10(3.2,2.4) C11(4,2.4) D1(-4,1.6) D2(-3.2,1.6) D3(-2.4,1.6) D4(-1.6,1.6) D5(-0.8,1.6) D6(0,1.6) D7(0.8,1.6) D8(1.6,1.6) D9(2.4,1.6) D10(3.2,1.6) D11(4,1.6) E1(-4,0.8) E2(-3.2,0.8) E3(-2.4,0.8) E4(-1.6,0.8) E5(-0.8,0.8) E6(0,0.8) E7(0.8,0.8) E8(1.6,0.8) E9(2.4,0.8) E10(3.2,0.8) E11(4,0.8) F1(-4,0) F2(-3.2,0) F3(-2.4,0) F4(-1.6,0) F5(-0.8,0) F6(0,0) F7(0.8,0) F8(1.6,0) F9(2.4,0) F10(3.2,0) F11(4,0) G1(-4,-0.8) G2(-3.2,-0.8) G3(-2.4,-0.8) G4(-1.6,-0.8) G5(-0.8,-0.8) G6(0,-0.8) G7(0.8,-0.8) G8(1.6,-0.8) G9(2.4,-0.8) G10(3.2,-0.8) G11(4,-0.8) H1(-4,-1.6) H2(-3.2,-1.6) H3(-2.4,-1.6) H4(-1.6,-1.6) H5(-0.8,-1.6) H6(0,-1.6) H7(0.8,-1.6) H8(1.6,-1.6) H9(2.4,-1.6) H10(3.2,-1.6) H11(4,-1.6) J1(-4,-2.4) J2(-3.2,-2.4) J3(-2.4,-2.4) J4(-1.6,-2.4) J5(-0.8,-2.4) J6(0,-2.4) J7(0.8,-2.4) J8(1.6,-2.4) J9(2.4,-2.4) J10(3.2,-2.4) J11(4,-2.4) K1(-4,-3.2) K2(-3.2,-3.2) K3(-2.4,-3.2) K4(-1.6,-3.2) K5(-0.8,-3.2) K6(0,-3.2) K7(0.8,-3.2) K8(1.6,-3.2) K9(2.4,-3.2) K10(3.2,-3.2) K11(4,-3.2) L1(-4,-4) L2(-3.2,-4) L3(-2.4,-4) L4(-1.6,-4) L5(-0.8,-4) L6(0,-4) L7(0.8,-4) L8(1.6,-4) L9(2.4,-4) L10(3.2,-4) L11(4,-4)
  silkscreen extent -5.77,-5 5,5
DIODE_SMB [mm]
  round 0.508 on Mech15: 0(0,0)
  rrect25% 2x2.5 smd: A(2.05,0) K(-2.05,0)
  silkscreen extent -3.5,-2.2 3.5,1.7
EXB2HV [mm] "Chip Array, Flat, 16-Leads, Pitch 0,50mm,  Body 3,80x1,60mm,  IPC Medium Density"
  rect 0.95x0.35 smd mask+0: 1(-0.85,1.75) 2(-0.85,1.25) 3(-0.85,0.75) 4(-0.85,0.25) 5(-0.85,-0.25) 6(-0.85,-0.75) 7(-0.85,-1.25) 8(-0.85,-1.75) 9(0.85,-1.75) 10(0.85,-1.25) 11(0.85,-0.75) 12(0.85,-0.25) 13(0.85,0.25) 14(0.85,0.75) 15(0.85,1.25) 16(0.85,1.75)
  silkscreen extent -1.95,-2.2 1.6,2.2